# Altium PCB CM4 to FMC Adapter r2.0.PcbDoc (part 1 of 3)
Units mm, origin at the board's own origin, x right, y up, seen from the top; angles counter-clockwise.
Board outline 85 x 84 mm, 4 copper layers (Top Layer, Int1 (GND), Int2 (PWR), Bottom Layer), stack 1.564 mm thick; 141 components, 131 nets, 748 pads, 674 vias.
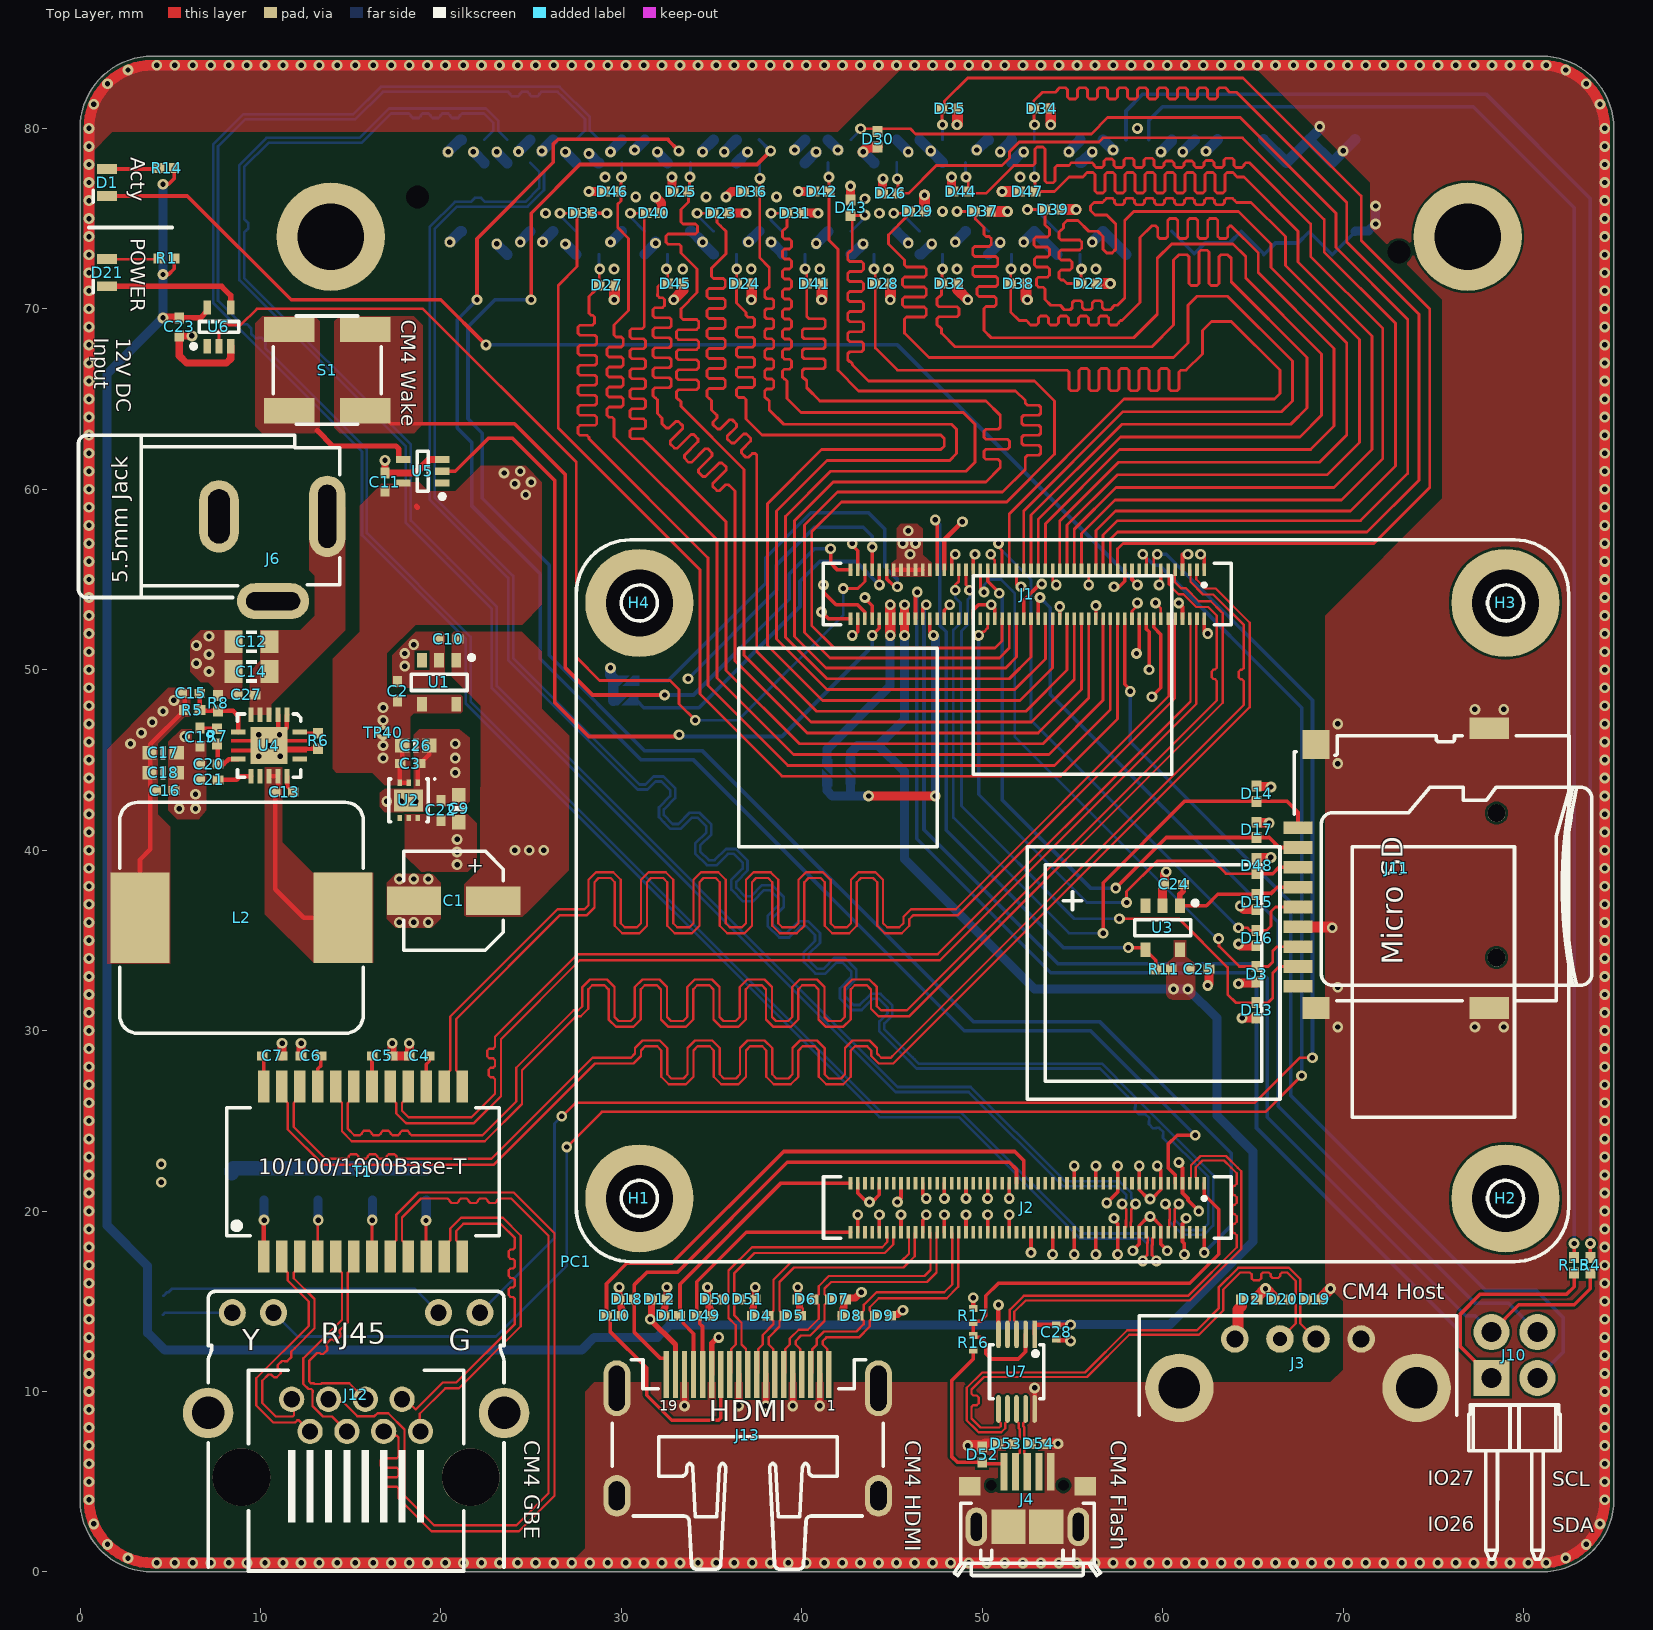
[diagram p0: Top Layer view]
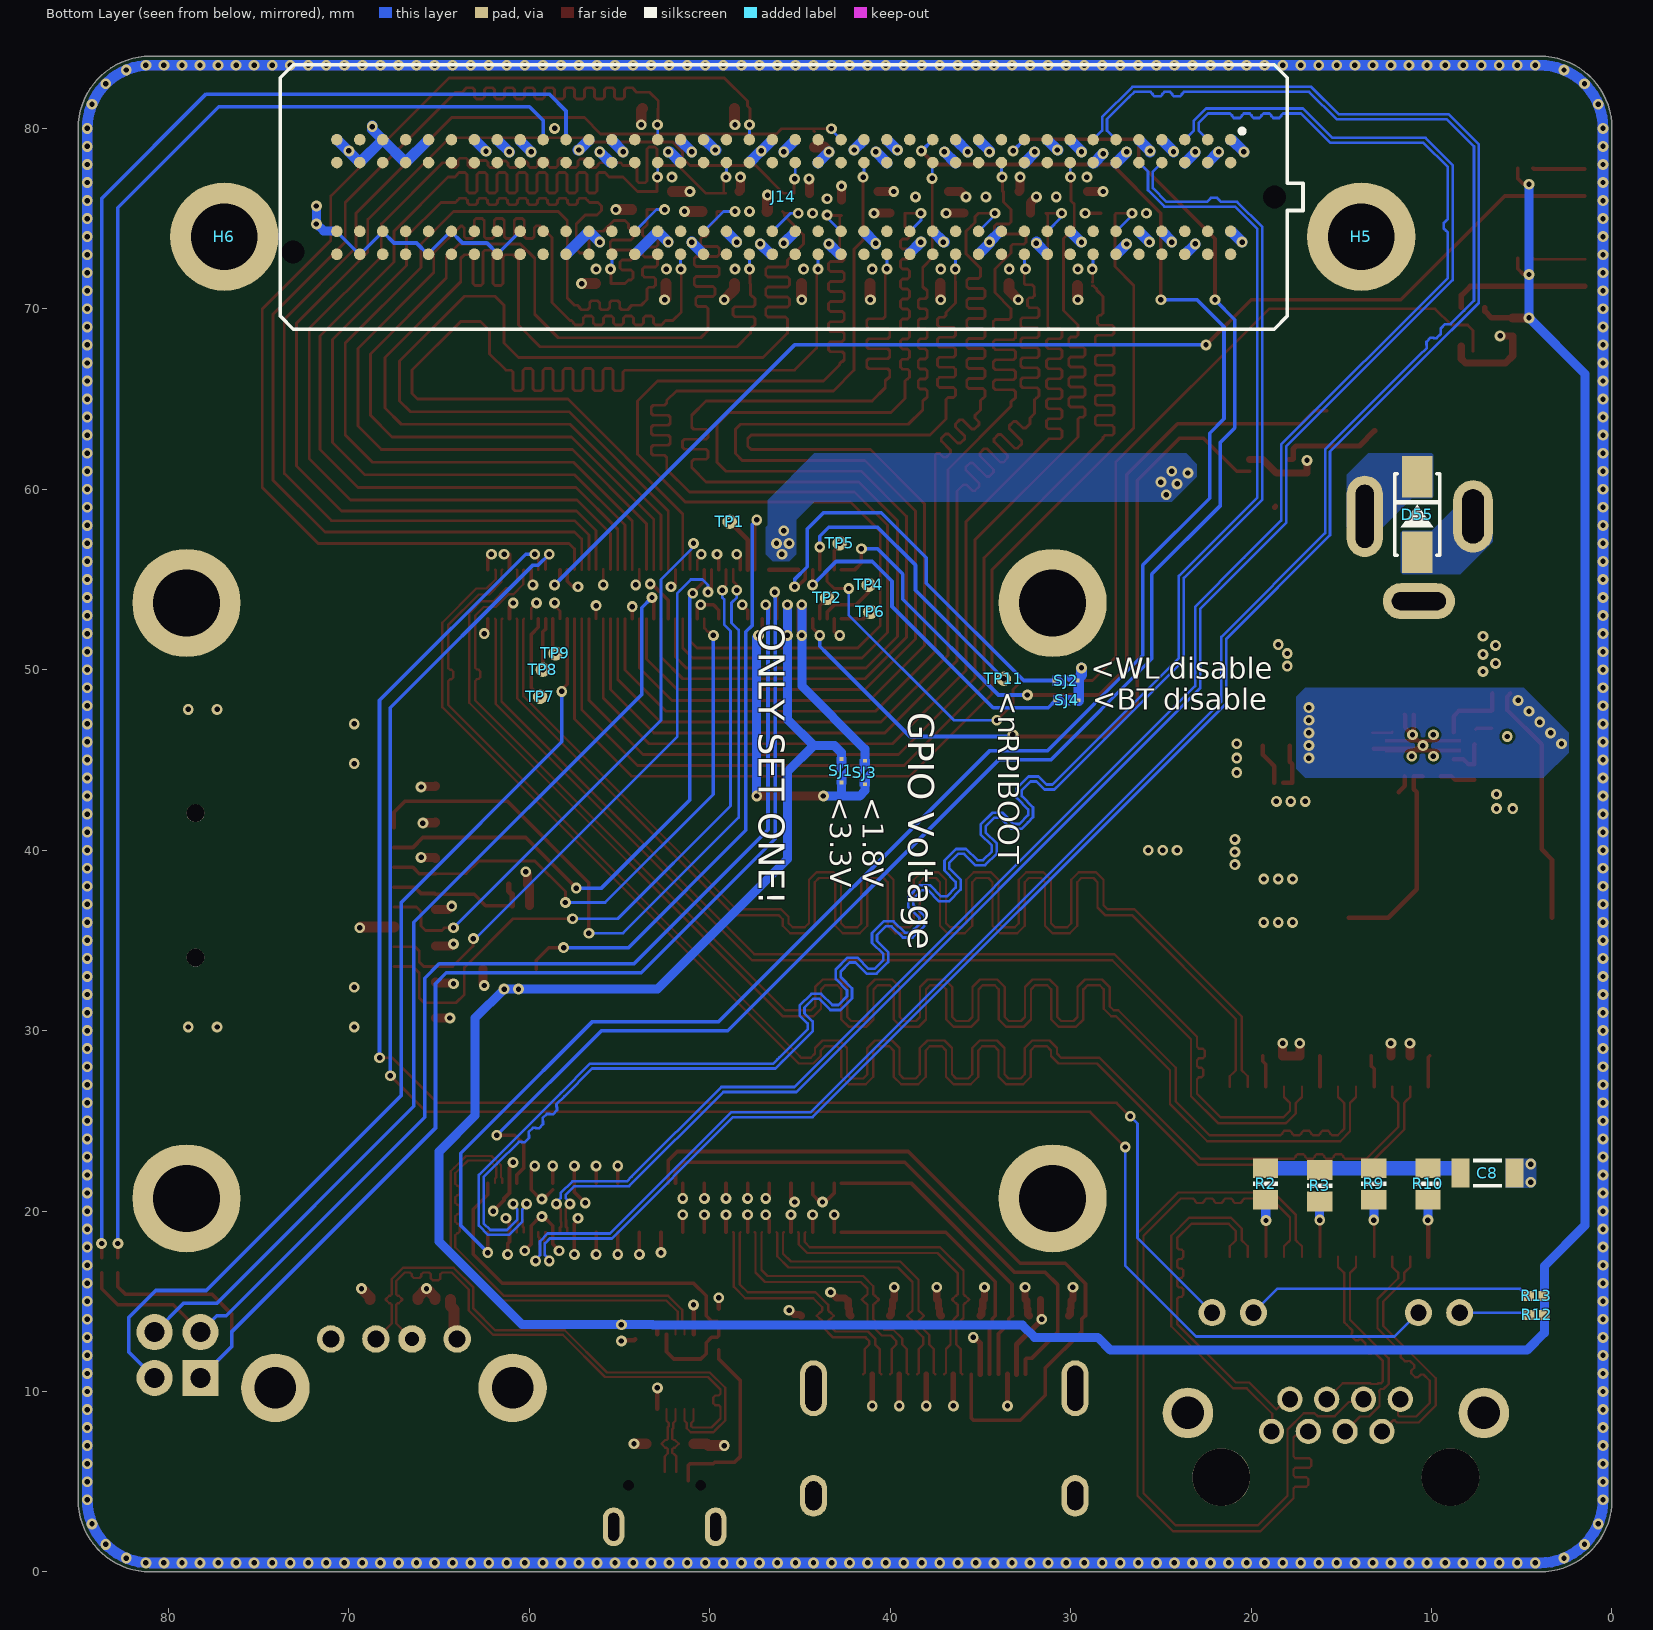
[diagram p1: Bottom Layer view, seen from below]
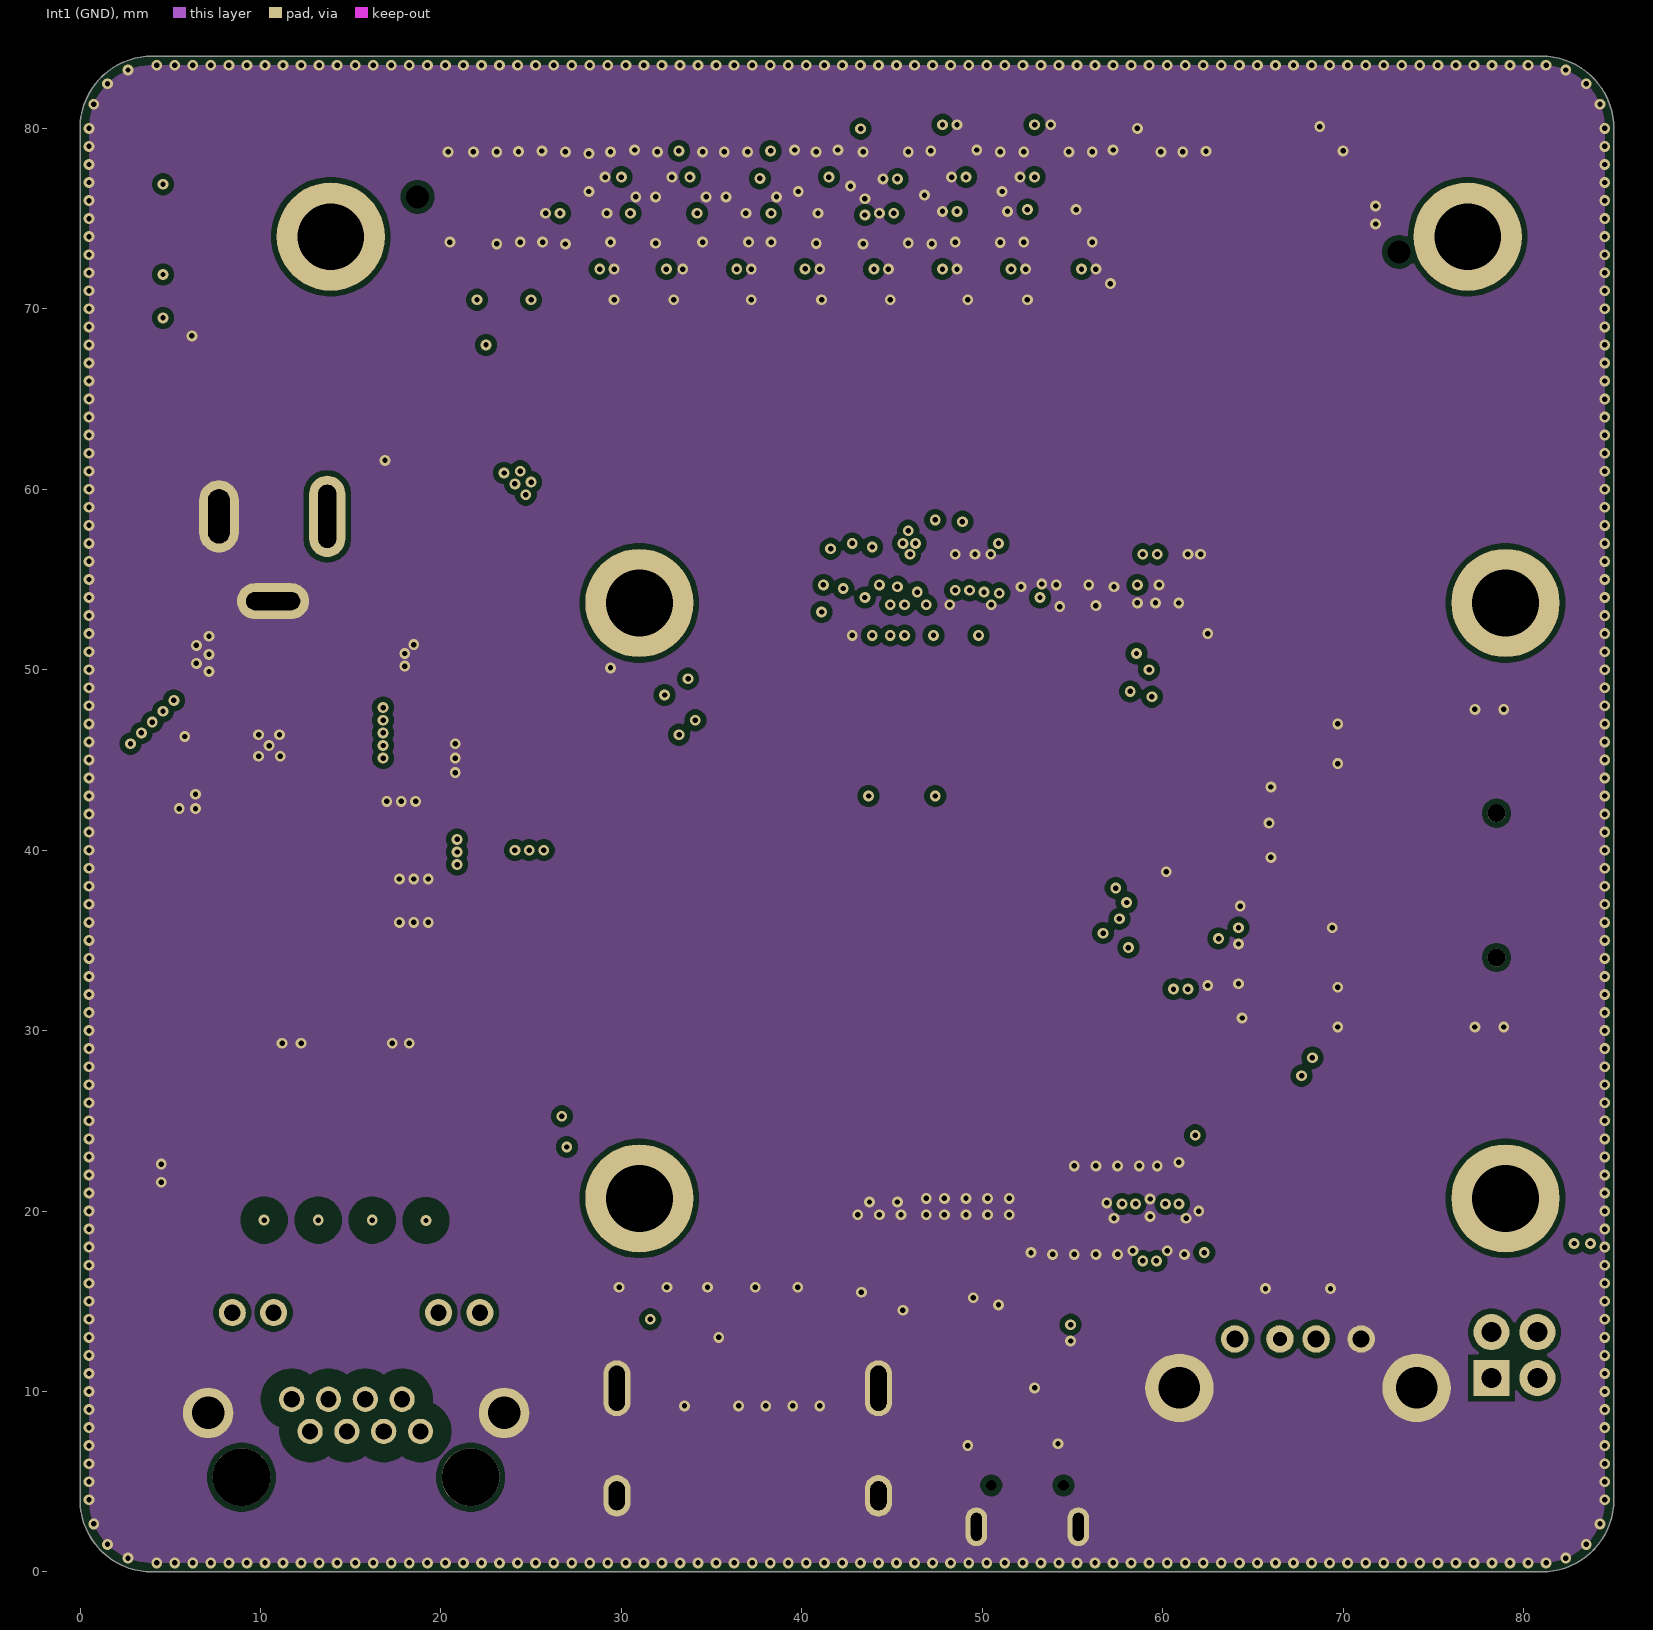
[diagram p2: Int1 (GND)]
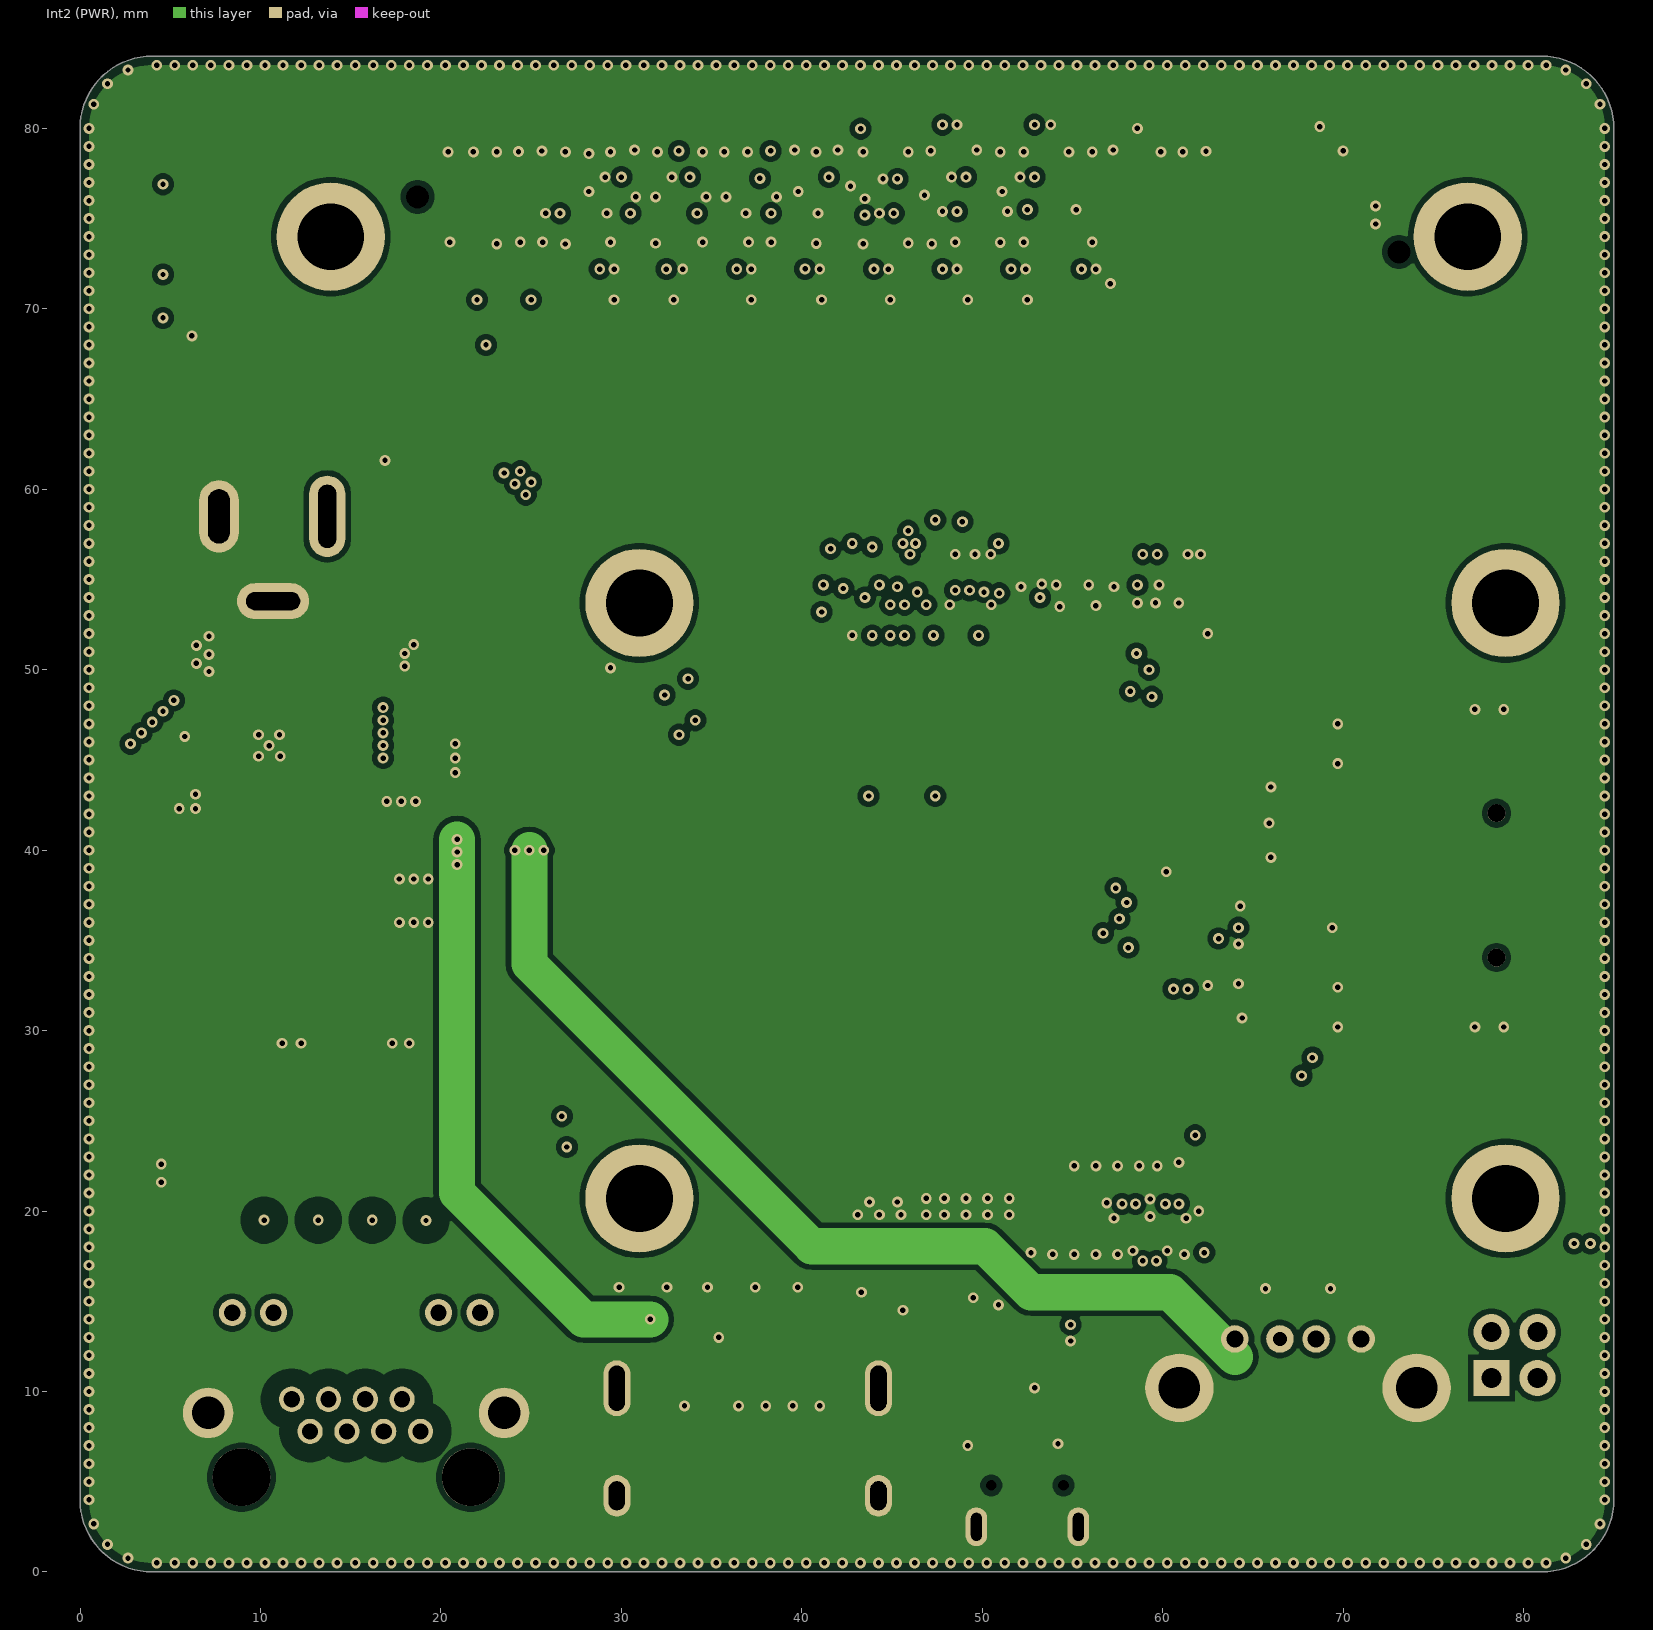
[diagram p3: Int2 (PWR)]

## Layer stack, top to bottom
Top Solder: solder mask 0.0254, SM-001, Dk 4
Top Layer: signal copper 0.035
Dielectric 1: prepreg 0.0994, 3313*1, Dk 4.05
Int1 (GND): signal copper 0.0152
Dielectric 3: core 1.265, Core-039, Dk 4.6
Int2 (PWR): signal copper 0.0152
Dielectric 5: prepreg 0.0994, 3313*1, Dk 4.05
Bottom Layer: signal copper 0.035
Bottom Solder: solder mask 0.0254, SM-001, Dk 4

## Board outline
0,4 0,80 cw(c4,80) 4,84 81,84 cw(c81,80) 85,80 85,4 cw(c81,4) 81,0 4,0 cw(c4,4)

## Design rules (kind name [scope] priority, off if disabled: settings)
Clearance Clearance_eth [InNetClass('ETH_ISO') vs Not InNetClass('ETH_ISO')] p1: gap=1 ignorepadtopadclearanceinfootprint=FALSE except(0: Arc-Hole Track-Hole SMDPad-Hole THPad-Hole Via-Hole Fill-Hole Poly-Hole Region-Hole Text-Hole)
Clearance Clearance_Polygons_I2 [InPolygon and OnLayer('Int2 (PWR)')] p2: gap=0.3 ignorepadtopadclearanceinfootprint=FALSE except(0: Arc-Hole Track-Hole SMDPad-Hole THPad-Hole Via-Hole Fill-Hole Poly-Hole Region-Hole Text-Hole)
Clearance Clearance_Polygons_I1 [InPolygon and OnLayer('Int1 (GND)')] p3: gap=0.3 ignorepadtopadclearanceinfootprint=FALSE except(0: Arc-Hole Track-Hole SMDPad-Hole THPad-Hole Via-Hole Fill-Hole Poly-Hole Region-Hole Text-Hole)
Clearance [All] p4: gap=0.127 ignorepadtopadclearanceinfootprint=FALSE except(0: Arc-Hole Track-Hole SMDPad-Hole THPad-Hole Via-Hole Fill-Hole Poly-Hole Region-Hole Text-Hole)
ComponentClearance [All] p1: gap=0.2 collisioncheckmode=3 verticalgap=0.2 showdistances=FALSE
DiffPairsRouting DiffPair_85OhmDiffPairsRouting [InNetClass('Diff85')] p1: maxlimit=0.15 minlimit=0.127 mostfreqgap=0.15 toplayer_maxgap=0.127 toplayer_prefgap=0.127 toplayer_minwidth=0.14 toplayer_maxwidth=0.15 toplayer_prefwidth=0.146 bottomlayer_maxgap=0.127 bottomlayer_prefgap=0.127 bottomlayer_minwidth=0.14 bottomlayer_maxwidth=0.15 bottomlayer_prefwidth=0.146 impedanceprofiledriven=TRUE impedanceprofileid={A5B6EF6D-86A5-478B-BAAD-C41EAEB463B6} impedanceprofilevalue=85.000000 maxuncoupledlength=12.7
DiffPairsRouting DiffPair_900OhmDiffPairsRouting [InNetClass('Diff90')] p2: maxlimit=0.22 minlimit=0.127 mostfreqgap=0.22 toplayer_maxgap=0.127 toplayer_prefgap=0.127 toplayer_minwidth=0.127 toplayer_maxwidth=0.127 toplayer_prefwidth=0.127 bottomlayer_maxgap=0.127 bottomlayer_prefgap=0.127 bottomlayer_minwidth=0.127 bottomlayer_maxwidth=0.127 bottomlayer_prefwidth=0.127 impedanceprofiledriven=TRUE impedanceprofileid={5A5A64CF-DBF1-4AA7-91AF-5B9F12C5BDBC} impedanceprofilevalue=90.000000 maxuncoupledlength=12.7
DiffPairsRouting DiffPair_100OhmDiffPairsRouting [InNetClass('Diff100')] p3: maxlimit=0.22 minlimit=0.2 mostfreqgap=0.22 toplayer_maxgap=0.2 toplayer_prefgap=0.2 toplayer_minwidth=0.127 toplayer_maxwidth=0.127 toplayer_prefwidth=0.127 bottomlayer_maxgap=0.2 bottomlayer_prefgap=0.2 bottomlayer_minwidth=0.127 bottomlayer_maxwidth=0.127 bottomlayer_prefwidth=0.127 impedanceprofiledriven=TRUE impedanceprofileid={7EBF4332-97AD-40EC-93E0-BF22C02359D4} impedanceprofilevalue=100.000000 maxuncoupledlength=12.7
HoleSize [All] p1: absolutevalues=TRUE maxlimit=6.3 minlimit=0.2 maxpercent=80.000 minpercent=20.000
MatchedLengths HDMI_Pair-Pair [InNetClass('HDMI')] p1: tolerance=20 checknetsindiffpair=FALSE checkdiffpairvsdiffpair=TRUE checkxsignals=TRUE checkothers=TRUE
MatchedLengths SMI_Sig-Sig [InNetClass('50Ohm')] p2: tolerance=5 checknetsindiffpair=FALSE checkdiffpairvsdiffpair=TRUE checkxsignals=TRUE checkothers=TRUE
MatchedLengths PCIe_Pair-Pair [InNetClass('PCIe')] p3: tolerance=20 checknetsindiffpair=FALSE checkdiffpairvsdiffpair=TRUE checkxsignals=TRUE checkothers=TRUE
MatchedLengths Ethernet_Pair-Pair [InxSignalClass('xSignals_Ethernet')] p4: tolerance=20 checknetsindiffpair=FALSE checkdiffpairvsdiffpair=TRUE checkxsignals=TRUE checkothers=TRUE
MatchedLengths All_Intrapair [InDifferentialPairClass('All Differential Pairs')] p5: tolerance=0.15 checknetsindiffpair=TRUE checkdiffpairvsdiffpair=FALSE checkxsignals=FALSE checkothers=FALSE
PolygonConnect [All] p1: connectstyle=Direct reliefconductorwidth=0.254 reliefentries=4 polygonreliefangle="90 Angle" airgapwidth=0.254
RoomDefinition "U_CM4 Module" [InComponentClass('U_CM4 Module')] p1: confinementstyle=ConfineIn formatcopy=TRUE lockcomponents=FALSE outline -25.4,-25.4 25.4,-25.4 25.4,0 -25.4,0
RoomDefinition U_FMC_LPC_Interface [InComponentClass('U_FMC_LPC_Interface')] p2: confinementstyle=ConfineIn formatcopy=TRUE lockcomponents=FALSE outline -25.4,-25.4 25.4,-25.4 25.4,0 -25.4,0
RoomDefinition U_USB [InComponentClass('U_USB')] p3: confinementstyle=ConfineIn formatcopy=TRUE lockcomponents=FALSE outline -25.4,-25.4 25.4,-25.4 25.4,0 -25.4,0
RoomDefinition U_Powersupply [InComponentClass('U_Powersupply')] p4: confinementstyle=ConfineIn formatcopy=TRUE lockcomponents=FALSE outline -25.4,-25.4 25.4,-25.4 25.4,0 -25.4,0
RoomDefinition U_hdmi_interface [InComponentClass('U_hdmi_interface')] p5: confinementstyle=ConfineIn formatcopy=TRUE lockcomponents=FALSE outline -25.4,-25.4 25.4,-25.4 25.4,0 -25.4,0
RoomDefinition U_ethernet [InComponentClass('U_ethernet')] p6: confinementstyle=ConfineIn formatcopy=TRUE lockcomponents=FALSE outline -25.4,-25.4 25.4,-25.4 25.4,0 -25.4,0
RoomDefinition U_cardreader [InComponentClass('U_cardreader')] p7: confinementstyle=ConfineIn formatcopy=TRUE lockcomponents=FALSE outline -25.4,-25.4 25.4,-25.4 25.4,0 -25.4,0
RoutingVias [All] p1: holewidth=0.3 width=0.6 viastyle="Through Hole" minholewidth=0.3 minwidth=0.6 maxholewidth=0.3 maxwidth=0.6
SilkToBoardRegionClearance SilkToBoardRegionClearance_1 [All] p2:
SolderMaskExpansion [All] p1: expansion=0.05 istentingtop=FALSE
Width Width_S50 [InNetClass('50Ohm')] p1: maxlimit=5 minlimit=0.127 preferedwidth=0.157 toplayer_minwidth=0.15 toplayer_maxwidth=0.16 bottomlayer_minwidth=0.15 bottomlayer_maxwidth=0.16 impedanceprofiledriven=TRUE impedanceprofileid={91247B24-B331-4709-8D01-BDAD9BA9AA11} impedanceprofilevalue=50.000000 minimp=50.000000 maximp=50.000000 favimp=50.000000
Width [All] p2: maxlimit=5 minlimit=0.127 preferedwidth=0.15
27 further rules are at their usual default settings.

## Classes and differential pairs
net class µUSB_Flash: USB_CM4Flash_N USB_CM4Flash_P
net class USB_HOST: USB_HOST_N USB_HOST_P
net class USB: USB_N USB_P
net class PCIe: PCIe_CLK_N PCIe_CLK_P PCIe_RX_N PCIe_RX_P PCIe_TX_N PCIe_TX_P
net class HDMI: HDMI0_CLK_N HDMI0_CLK_P HDMI0_TX0_N HDMI0_TX0_P HDMI0_TX1_N HDMI0_TX1_P HDMI0_TX2_N HDMI0_TX2_P
net class Diff85: PCIe_CLK_N PCIe_CLK_P PCIe_RX_N PCIe_RX_P PCIe_TX_N PCIe_TX_P
net class ETH_ISO: ETHERNET_PAIR0_C_N ETHERNET_PAIR0_C_P ETHERNET_PAIR1_C_N ETHERNET_PAIR1_C_P ETHERNET_PAIR2_C_N ETHERNET_PAIR2_C_P ETHERNET_PAIR3_C_N ETHERNET_PAIR3_C_P NetC8_1 NetR2_1 NetR3_1 NetR9_1 NetR10_1
component class U_cardreader: C24 C25 D3 D13 D14 D15 D16 D17 D48 J11 R11 U3
component class U_ethernet: C4 C5 C6 C7 C8 J12 R2 R3 R9 R10 R12 R13 T1
component class U_hdmi_interface: D4 D5 D6 D7 D8 D9 D10 D11 D12 D18 D49 D50 D51 J13
component class "U_CM4 Module": C11 C23 D1 D21 H1 H2 H3 H4 J1 J2 J10 PC1 R1 R14 S1 SJ1 SJ2 SJ3 SJ4 TP1 TP2 TP4 TP5 TP6 TP7 TP8 TP9 TP11 U5 U6
component class U_Powersupply: C1 C2 C3 C9 C10 C12 C13 C14 C15 C16 C17 C18 C19 C20 C21 C22 C26 C27 D55 J6 L2 R5 R6 R7 R8 TP40 U1 U2 U4
component class U_FMC_LPC_Interface: D22 D23 D24 D25 D26 D27 D28 D29 D30 D31 D32 D33 D34 D35 D36 D37 D38 D39 D40 D41 D42 D43 D44 D45 D46 D47 H5 H6 J14 R4 R15
component class U_USB: C28 D2 D19 D20 D52 D53 D54 J3 J4 R16 R17 U7
net class Diff90: USB_CM4Flash_N USB_CM4Flash_P USB_HOST_N USB_HOST_P USB_N USB_P
net class Diff100: ETHERNET_PAIR0_C_N ETHERNET_PAIR0_C_P ETHERNET_PAIR0_N ETHERNET_PAIR0_P ETHERNET_PAIR1_C_N ETHERNET_PAIR1_C_P ETHERNET_PAIR1_N ETHERNET_PAIR1_P ETHERNET_PAIR2_C_N ETHERNET_PAIR2_C_P ETHERNET_PAIR2_N ETHERNET_PAIR2_P ETHERNET_PAIR3_C_N ETHERNET_PAIR3_C_P ETHERNET_PAIR3_N ETHERNET_PAIR3_P HDMI0_CLK_N HDMI0_CLK_P HDMI0_TX0_N HDMI0_TX0_P HDMI0_TX1_N HDMI0_TX1_P HDMI0_TX2_N HDMI0_TX2_P
net class 50Ohm: SA0 SA1 SA2 SA3 SA4 SA5 SD0 SD1 SD2 SD3 SD4 SD5 SD6 SD7 SD8 SD9 SD10 SD11 SD12 SD13 SD14 SD15 SD16 SD17 SOE/SE SWE/SRW
differential pair USB_HOST: +USB_HOST_P -USB_HOST_N
differential pair USB_CM4Flash: +USB_CM4Flash_P -USB_CM4Flash_N
differential pair PCIe_TX: +PCIe_TX_P -PCIe_TX_N
differential pair PCIe_RX: +PCIe_RX_P -PCIe_RX_N
differential pair PCIe_CLK: +PCIe_CLK_P -PCIe_CLK_N
differential pair HDMI0_CLK: +HDMI0_CLK_P -HDMI0_CLK_N
differential pair ETHERNET_PAIR0_C: +ETHERNET_PAIR0_C_P -ETHERNET_PAIR0_C_N
differential pair ETHERNET_PAIR0: +ETHERNET_PAIR0_P -ETHERNET_PAIR0_N
differential pair ETHERNET_PAIR1_C: +ETHERNET_PAIR1_C_P -ETHERNET_PAIR1_C_N
differential pair ETHERNET_PAIR1: +ETHERNET_PAIR1_P -ETHERNET_PAIR1_N
differential pair ETHERNET_PAIR2_C: +ETHERNET_PAIR3_C_P -ETHERNET_PAIR3_C_N
differential pair ETHERNET_PAIR2: +ETHERNET_PAIR2_P -ETHERNET_PAIR2_N
differential pair ETHERNET_PAIR3_C: +ETHERNET_PAIR2_C_P -ETHERNET_PAIR2_C_N
differential pair ETHERNET_PAIR3: +ETHERNET_PAIR3_P -ETHERNET_PAIR3_N
differential pair HDMI0_TX0: +HDMI0_TX0_P -HDMI0_TX0_N
differential pair HDMI0_TX1: +HDMI0_TX1_P -HDMI0_TX1_N
differential pair HDMI0_TX2: +HDMI0_TX2_P -HDMI0_TX2_N
differential pair USB: +USB_P -USB_N
